# Altium PCB Zenit Stand PCB_2.PcbDoc (part 1 of 2) (continued)
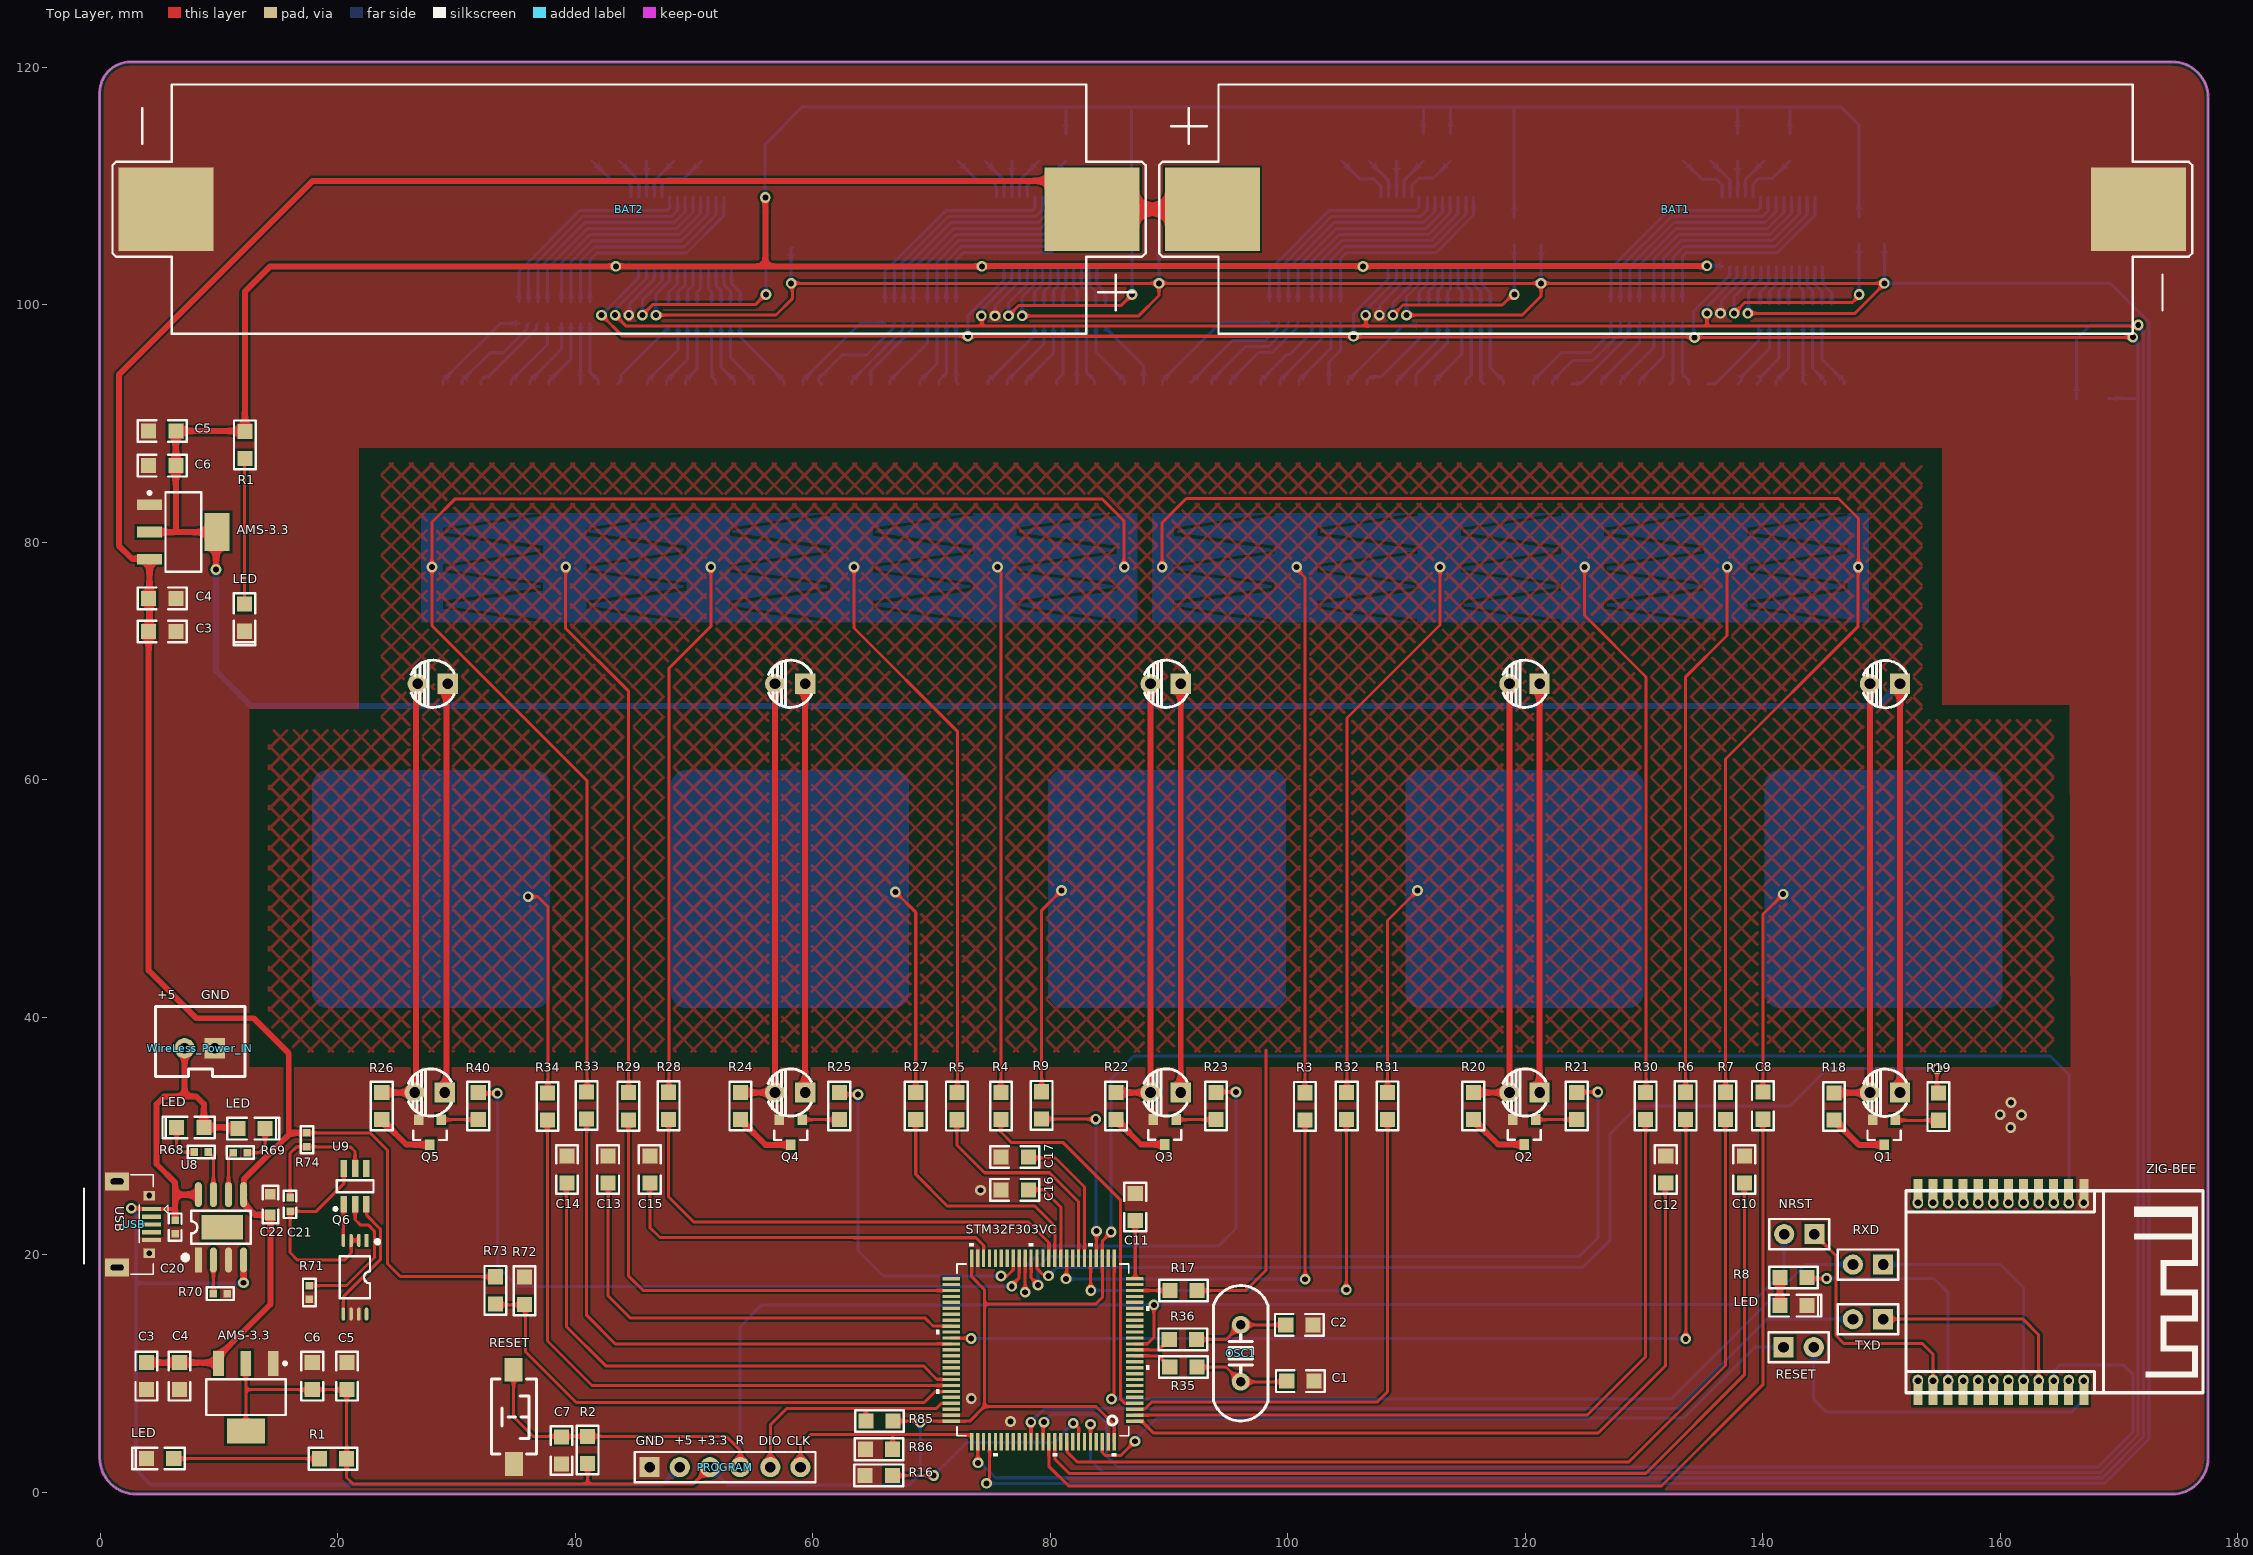
[diagram p0: Top Layer view]
## Footprints (in the part's own frame and the unit in brackets; to place one, negate y for a bottom-side part, rotate by r counter-clockwise, add the part's x,y. Pads: shape width x height; smd on the part's side, far side on the other; paste and mask are expansions set on the pad)
"18650 SINGLE 2" [mm]
  rect 8x7 smd: 1(-43.5,-1) 2(34.5,-1)
  silkscreen extent -48,-11.5 39,9.5, body extent -47.5,-11.35 38.5,9.3, height 15.01
"C 0402" [mil] "ï؟½ق¼ï؟½ï؟½ï؟½ï؟½ï؟½ئ¬ï؟½ï؟½ï؟½ï؟½"
  rect 25x25 smd: 1(-23,0.16) 2(23,0.16)
  silkscreen extent -45,-21 45,21, body extent -20,-10 20,10, height 20
"C 0603" [mil] "ï؟½ق¼ï؟½ï؟½ï؟½ï؟½ï؟½ئ¬ï؟½ï؟½ï؟½ï؟½"
  rect 35x35 smd: 1(-35,0) 2(34,0)
  silkscreen extent -63,-26 62,26, body extent -31,-16 31,16, height 32
"C 0805" [mil] "ï؟½ق¼ï؟½ï؟½ï؟½ï؟½ï؟½ئ¬ï؟½ï؟½ï؟½ï؟½"
  rect 50x50 smd: 1(-45,0) 2(45,0)
  silkscreen extent -81,-36 81,36, body extent -39,-24 39,24, height 20
HDR-1X2 [mm] "إإصë£¬2½إ"
  rect 1.7x1.7 hole 0.9: 1(0,0)
  round 1.7 hole 0.9: 2(2.54,0)
  silkscreen extent -1.27,-1.27 3.81,1.27, body extent -1.27,-1.27 3.81,1.27, height 8.5
HDR-1X6 [mm] "إإصë£¬6½إ"
  rect 1.7x1.7 hole 0.9: 1(0,0)
  round 1.7 hole 0.9: 2(2.54,0) 3(5.08,0) 4(7.62,0) 5(10.16,0) 6(12.7,0)
  silkscreen extent -1.27,-1.27 13.97,1.27, body extent -1.27,-1.27 13.97,1.27, height 8.5
"LED 3MM-B" [mm] "ï؟½ï؟½ة«3mmض±ï؟½ï؟½LED"
  rect 1.7x1.7 hole 0.9: 1(-1.27,0)
  round 1.7 hole 0.9: 2(1.27,0)
  silkscreen extent -2.01,-2 1.72,1.98, body extent -1.95,-1.95 1.64,1.95, height 5.55
"LED 0805B" [mil] "ï؟½ï؟½ة«0805LED"
  rect 50x50 smd: 1(-45,0) 2(45,0)
  silkscreen extent -81,-36 92,36, body extent -39,-25 39,25, height 32
"LED 0805G" [mil] "ï؟½ï؟½ة«0805LED"
  rect 50x50 smd: 1(-45,0) 2(45,0)
  silkscreen extent -81,-36 92,36, body extent -39,-25 39,25, height 32
"LED 0805R" [mil] "ï؟½ï؟½ة«0805LED"
  rect 50x50 smd: 1(-45,0) 2(45,0)
  silkscreen extent -81,-36 92,36, body extent -39,-25 39,25, height 32
"LED 5050" [mm] "ï؟½ï؟½ة«5050LED"
  rect 1.5x0.9 smd: 1(-2.705,1.6) 2(2.705,1.6) 3(-2.705,0) 4(2.705,0) 5(-2.705,-1.6) 6(2.705,-1.6)
  silkscreen extent -1.52,-2.29 1.52,2.29, body extent -2.7,-2.5 2.7,2.5, height 1.65
LQFP100_STM [mil]
  rect 58x11 smd paste+0 mask+0: 1(-304,236.22) 2(-304,216.54) 3(-304,196.85) 4(-304,177.17) 5(-304,157.48) 6(-304,137.8) 7(-304,118.11) 8(-304,98.43) 9(-304,78.74) 10(-304,59.06) 11(-304,39.37) 12(-304,19.69) 13(-304,0) 14(-304,-19.68) 15(-304,-39.37) 16(-304,-59.06) 17(-304,-78.74) 18(-304,-98.43) 19(-304,-118.11) 20(-304,-137.8) 21(-304,-157.48) 22(-304,-177.17) 23(-304,-196.85) 24(-304,-216.54) 25(-304,-236.22) 51(304,-236.22) 52(304,-216.54) 53(304,-196.85) 54(304,-177.17) 55(304,-157.48) 56(304,-137.8) 57(304,-118.11) 58(304,-98.43) 59(304,-78.74) 60(304,-59.06) 61(304,-39.37) 62(304,-19.68) 63(304,0) 64(304,19.69) 65(304,39.37) 66(304,59.06) 67(304,78.74) 68(304,98.43) 69(304,118.11) 70(304,137.8) 71(304,157.48) 72(304,177.17) 73(304,196.85) 74(304,216.54) 75(304,236.22)
  rect 11x58 smd paste+0 mask+0: 26(-236.22,-304) 27(-216.54,-304) 28(-196.85,-304) 29(-177.17,-304) 30(-157.48,-304) 31(-137.8,-304) 32(-118.11,-304) 33(-98.43,-304) 34(-78.74,-304) 35(-59.06,-304) 36(-39.37,-304) 37(-19.69,-304) 38(0,-304) 39(19.68,-304) 40(39.37,-304) 41(59.05,-304) 42(78.74,-304) 43(98.43,-304) 44(118.11,-304) 45(137.8,-304) 46(157.48,-304) 47(177.17,-304) 48(196.85,-304) 49(216.54,-304) 50(236.22,-304) 76(236.22,304) 77(216.54,304) 78(196.85,304) 79(177.17,304) 80(157.48,304) 81(137.8,304) 82(118.11,304) 83(98.43,304) 84(78.74,304) 85(59.05,304) 86(39.37,304) 87(19.68,304) 88(0,304) 89(-19.69,304) 90(-39.37,304) 91(-59.06,304) 92(-78.74,304) 93(-98.43,304) 94(-118.11,304) 95(-137.8,304) 96(-157.48,304) 97(-177.17,304) 98(-196.85,304) 99(-216.54,304) 100(-236.22,304)
  silkscreen extent -353,-353 353,353, body extent -315,-315 315,315, height 61
"R 0402" [mil] "1/16Wï؟½ï؟½ئ¬ï؟½ï؟½ï؟½ï؟½"
  rect 25x25 smd: 1(-19,-17) 2(27,-17)
  silkscreen extent -41,-38 49,4, body extent -16,-27 24,-7, height 12
"R 0805" [mm] "1/8Wï؟½ï؟½ئ¬ï؟½ï؟½ï؟½ï؟½"
  rect 1.27x1.27 smd: 1(-1.143,0) 2(1.143,0)
  silkscreen extent -2.05,-0.91 2.05,0.91, body extent -1,-0.62 1,0.63, height 0.5
"RA1206 (4x0603)" [mm]
  rrect50% 0.8x0.5 smd: 1(-0.9,1.2) 2(-0.9,0.4) 3(-0.9,-0.4) 4(-0.9,-1.2) 5(0.9,-1.2) 6(0.9,-0.4) 7(0.9,0.4) 8(0.9,1.2)
  silkscreen extent -1.55,-1.65 0.85,1.65, body extent -0.8,-1.6 0.8,1.6, height 0.5
SOP8_M-EP [mm] "5*6*1.8mm£¨³¤؟ي¸ك£©"
  rect 2.1x0.6 smd: 1(-2.75,1.905)
  oval 2.1x0.6 smd: 2(-2.75,0.635) 3(-2.75,-0.635) 4(-2.75,-1.905) 5(2.75,-1.905) 6(2.75,-0.635) 7(2.75,0.635) 8(2.75,1.905)
  rect 2.1x3.5 smd: 9(0.01,-0.113)
  silkscreen extent -2.69,-2.5 1.4,3.15, body extent -3,-2.5 3,2.5, height 1.9
SOT23-3 [mm]
  rect 0.8x0.9 smd: 1(-0.95,-1) 2(0.95,-1) 3(0,1.1)
  silkscreen extent -1.4,-0.1 1.4,0.7, body extent -1.46,-1.4 1.46,1.4, height 1.24
SOT23-6M [mm] "3x1.6x1.1mm(ï؟½ï؟½ï؟½ï؟½ï؟½)"
  rect 0.55x1.4 smd: 1(-0.95,-1.5) 2(0,-1.5) 3(0.95,-1.5) 4(0.95,1.5) 5(0,1.5) 6(-0.95,1.5)
  silkscreen extent -1.78,-2.03 1.55,0.51, body extent -1.5,-1.4 1.5,1.4, height 1.15
SOT223_L [mm] "SOT223, 4-Leads, Body 6.5x3.5mm, Pitch 2.3mm, Lead Span 7mm, IPC High Density"
  rect 2.1x0.9 smd: 1(-2.85,2.3) 2(-2.85,0) 3(-2.85,-2.3)
  rect 2.1x3.2 smd: 4(2.85,0)
  silkscreen extent -2.97,-3.35 1.5,3.42, body extent -1.85,-3.35 1.85,3.35, height 1.7
SOT361-1_NXP [mil]
  rect 58x14 smd paste+0 mask+0: 1(-115,166.34) 2(-115,140.75) 3(-115,115.16) 4(-115,89.57) 5(-115,63.98) 6(-115,38.39) 7(-115,12.8) 8(-115,-12.8) 9(-115,-38.39) 10(-115,-63.98) 11(-115,-89.57) 12(-115,-115.16) 13(-115,-140.75) 14(-115,-166.34) 15(115,-166.34) 16(115,-140.75) 17(115,-115.16) 18(115,-89.57) 19(115,-63.98) 20(115,-38.39) 21(115,-12.8) 22(115,12.8) 23(115,38.39) 24(115,63.98) 25(115,89.57) 26(115,115.16) 27(115,140.75) 28(115,166.34)
  silkscreen extent -94,-198 94,198, body extent -130,-193 130,193, height 43
SSOP8_L [mm] "3*6.4*1.2mm£¨³¤؟ي¸ك£©"
  rect 1.1x0.3 smd: 1(-3.1,0.975)
  oval 1.1x0.3 smd: 2(-3.1,0.325) 3(-3.1,-0.325) 4(-3.1,-0.975) 5(3.1,-0.975) 6(3.1,-0.325) 7(3.1,0.325) 8(3.1,0.975)
  silkscreen extent -3.13,-1.27 1.78,2.03, body extent -3.2,-1.75 3.2,1.75, height 1.25
"TSW SMD-3*6*2.5" [mm] "3*6*2.5mm"
  rect 2x1.5 smd: 1(-3.996,-0.02) 2(3.937,0)
  silkscreen extent -3.21,-1.9 3.09,1.9, body extent -4,-1.88 4,1.62, height 2.59
USB-micro_B [mm] "microï؟½ï؟½USB ï؟½ï؟½5.7*7.8*2.5mm"
  rect 0.35x1.6 smd: 1(-1.3,2.9) 2(-0.65,2.9) 3(0,2.9) 4(0.65,2.9) 5(1.3,2.9)
  rect 1.5x2 hole 0.5 slot 1.1 at 90 deg: 5(-3.625,0) 5(3.625,0)
  rect 0.8x1 hole 0.5: 5(-2.425,2.71) 5(2.425,2.71)
  silkscreen extent -4.19,-2.79 4.19,4.3, body extent -4,-2.71 4,2.89, height 2.8
XBee [mil]
  rect 80x30 smd: A1(-344.93,120.37) A2(-344.93,70.37) A3(-344.93,20.37) A4(-344.93,-29.63) A5(-344.93,-79.63) A6(-344.93,-129.63) A7(-344.93,-179.63) A8(-344.93,-229.63) A9(-344.93,-279.63) A10(-344.93,-329.63) A11(-344.93,-379.63) A12(-344.93,-429.63) B1(324.36,120.37) B2(324.36,70.37) B3(324.36,20.37) B4(324.36,-29.63) B5(324.36,-79.63) B6(324.36,-129.63) B7(324.36,-179.63) B8(324.36,-229.63) B9(324.36,-279.63) B10(324.36,-329.63) B11(324.36,-379.63) B12(324.36,-429.63)
  oval 40x35 hole 22: A1(-306.32,120.54) A2(-306.32,70.54) A3(-306.32,20.54) A4(-306.32,-29.46) A5(-306.32,-79.46) A6(-306.32,-129.46) A7(-306.32,-179.46) A8(-306.32,-229.46) A9(-306.32,-279.46) A10(-306.32,-329.46) A11(-306.32,-379.46) A12(-306.32,-429.46) B1(284.04,120.54) B2(284.04,70.54) B3(284.04,20.54) B4(284.04,-29.46) B5(284.04,-79.46) B6(284.04,-129.46) B7(284.04,-179.46) B8(284.04,-229.46) B9(284.04,-279.46) B10(284.04,-329.46) B11(284.04,-379.46) B12(284.04,-429.46)
  silkscreen extent -346,-469 324,515, body extent -326,-458 304,486, height 98
XH2.54-2P [mm] "½س²ه¼‏£¬2P"
  rect 1.7x1.7 hole 0.9: 1(0,0)
  round 1.7 hole 0.9: 2(2.54,0)
  silkscreen extent -2.54,-3.51 5.01,2.37, body extent -2.5,-3.3 5.04,2.4, height 7.05
XTAL-HC49S-THD [mm]
  round 1.5 hole 0.8: 1(-2.4,0) 2(2.4,0)
  silkscreen extent -5.7,-2.28 5.7,2.28, body extent -5.68,-2.35 5.68,2.3, height 3.5
? [mm]
  round 0.1 smd paste-0.05: 1(0,0)
  Top Layer region: 0,0 0,0 0,0 0,-10 9,-10 9,-10 9.152,-9.954 9.408,-9.817 9.633,-9.633 9.817,-9.408 9.954,-9.152 10,-9 10,9 10,9 9.954,9.152 9.817,9.408 9.633,9.633 9.408,9.817 9.152,9.954 9,10 -9,10 -9,10 -9.152,9.954 -9.408,9.817 -9.633,9.633 -9.817,9.408 -9.954,9.152 -10,9 -10,-9 -10,-9 -9.954,-9.152 -9.817,-9.408 -9.633,-9.633 -9.408,-9.817 -9.152,-9.954 -9,-10 0,-10

## Part data
AMS-3.3 AMS-3.3: library part AMS1117, "Three-terminal regulator chip", BOM名称=稳压芯片, 学习资源=www.ooocke.com, 版权归属=源创客
C1 C2 C3 C3 C4 C4 C5 C5 C6 C6 C7 C8 C10 C11 C12 C13 C14 C15 C16 C17 C20 C21 C22: library part C, "Non-polar patch capacitor", BOM名称=无极性贴片电容, 学习资源=www.ooocke.com, 版权归属=源创客
LED LED LED LED LED: "Patch LED", BOM名称=贴片LED, 学习资源=www.ooocke.com, 版权归属=源创客
LED LED LED LED LED LED LED LED LED LED: library part LED-3MM, "Plug-in LED", BOM名称=插件LED, 学习资源=www.ooocke.com, 版权归属=源创客
NRST RESET RXD TXD WireLess_Power_IN: library part "Header 2", "2P Connector", BOM名称=2P接插件, 学习资源=www.ooocke.com, 版权归属=源创客
OSC1: library part XTAL-2, "2-Pin crystal", BOM名称=2脚晶振, 学习资源=www.ooocke.com, 版权归属=源创客
Q1 Q2 Q3 Q4 Q5: "N-Channel 60V 115mA (Tc) 225mW (Ta) Surface Mount SOT-23-3 (TO-236)", Package="SOT-23-3 Vishay", Availability=Good, Check_prices=https://www.snapeda.com/parts/2N7002/STMicroelectronics/view-part/2885412/?ref=eda, MF=STMicroelectronics, MP=2N7002, Price=None, Purchase-URL=https://pricing.snapeda.com/search/part/2N7002/?ref=eda, SnapEDA_Link=https://www.snapeda.com/parts/2N7002/STMicroelectronics/view-part/2885412/?ref=snap
Q6: "Dual N-Channel Enhancement Mode Power MOSFET"
R1 R1 R2 R3 R4 R5 R6 R7 R8 R9 R16 R17 R18 R19 R20 R21 R22 R23 R24 R25 R26 R27 R28 R29 R30 R31 R32 R33 R34 R35 R36 R37 R38 R39 R40 R40 R41 R42 R43 R45 R46 R47 R48 R49 R50 R51 R52 R54 R55 R56 R57 R58 R59 R60 R61 R62 R68 R69 R70 R71 R72 R73 R74 R77 R78 R79 R80 R83 R84 R85 R86: library part R, "Chip resistor", BOM名称="Chip resistor", 学习资源=www.ooocke.com, 版权归属=源创客
RA1 RA2 RA3 RA4 RA5 RA6 RA7 RA8 RA9 RA10 RA11 RA12 RA13 RA14 RA15 RA16: library part R-ARR, "4 way Chip Resistor Array"
RESET: library part "TSW 3x6", "3x6 tact switch", BOM名称=3x6轻触开关, 学习资源=www.ooocke.com, 版权归属=源创客
RGB1 RGB2 RGB3 RGB4 RGB5 RGB6 RGB7 RGB8 RGB9 RGB10 RGB11 RGB12 RGB13 RGB14 RGB15 RGB16 RGB17 RGB18 RGB19 RGB20 RGB21: "Three primary color LED", BOM名称=三基色LED, 学习资源=www.ooocke.com, 版权归属=源创客
STM32F303VC U1 U2 U3 U4: "No Description Available", Copyright="Copyright (C) 2018 Accelerated Designs. All rights reserved", RefDes=RefDes, Type=DEV
  STM32F303VC: Built_By=EMA_Jessica, Manufacturer_Part_Number=STM32F303VCT6, SourceLibrary=Updates_to_database_2020-11-10, Vendor=STMicroelectronics
  U1 U2 U3 U4: Built_By=EMA_UL_Team, Manufacturer_Part_Number=PCA9685PW, SourceLibrary=NXP_2011-11-10, Vendor=NXP
U8: "Lithium battery charge management", BOM名称=锂电池充电管理, 学习资源=www.ooocke.com, 版权归属=源创客
U9: "Lithium battery overcurrent protection IC", BOM名称=过流保护IC, 学习资源=www.ooocke.com, 版权归属=源创客
USB: "Micro & Mini USB female", BOM名称=微型USB母座, 学习资源=www.ooocke.com, 版权归属=源创客
ZIG-BEE: library part XBee
Touch1 Touch2 Touch3 Touch4 Touch5: ConfigurationParameters==__sensorid[RectangularCurvedEdgeButton]=width[20]=Length[20]=innerDiameter[0]=, ConfiguratorName=CYPRESS_TOUCH

## Via types
v1: diameter 0.9, hole 0.5, Top Layer to Bottom Layer, tented both sides, 93 vias

## Nets (pads, with @x,y where several pads share a name; then routed paths per layer and width w, separated by ;. In a path a pad name is that pad's centre, name@x,y a point inside that pad or via, vN(x,y) a via of type N, cw(c..) or ccw(c..) an arc to the next point about the centre after c; other vN are vias at no path point)
+3.3: AMS-3.3.2@12.268,10.87 AMS-3.3.4@12.268,5.17 C5.2@20.777,8.655 C6.2@17.856,8.655 PROGRAM.3 R1.1@20.752,2.839 R2.1 R85.2 STM32F303VC.28 STM32F303VC.50 STM32F303VC.75 STM32F303VC.100 ZIG-BEE.A2 | length 233.8
  Top Layer w0.254: AMS-3.3.4@12.268,4.944 AMS-3.3.4@12.268,5.17 12.268,8.655 ; AMS-3.3.2@12.268,10.87 12.268,8.655 ; 20.752,1.251 R1.1@20.752,2.839 20.752,8.63 C5.2@20.777,8.655 C6.2@17.856,8.655 12.268,8.655 ; 20.821,1.182 21.279,0.724 41.053,0.724 ; R2.1@41.053,2.426 41.053,0.724 ; PROGRAM.3@51.352,2.134 49.943,0.724 41.053,0.724 ; R85.2@66.764,6.02 66.776,6.008 69.063,6.008 STM32F303VC.75@71.671,6.008 73.235,6.008 74.46,7.233 ; STM32F303VC.50@73.393,19.729 73.393,18.155 74.46,17.088 74.46,15.856 ; v1(85.141,21.933) 84.393,21.185 STM32F303VC.28@84.393,19.729 84.393,16.422 83.826,15.856 74.46,15.856 ; STM32F303VC.100@85.393,4.286 85.393,5.698 83.858,7.233 74.46,7.233 ; 74.46,7.233 74.46,15.856
  Bottom Layer w0.254: PROGRAM.3@51.352,2.134 52.876,0.61 68.085,0.61 69.063,1.587 v1(69.063,5.905) ; v1(85.141,21.933) 85.141,34.849 87.046,36.754 164.217,36.754 165.78,35.191 ZIG-BEE.A2@165.78,24.405
+5: C20.2 LED.1@8.726,30.74 LED.1@11.603,30.639 PROGRAM.2 U8.4 U8.8 USB.1 WireLess_Power_IN.2 | length 109.7
  Top Layer w0.3: v1(2.629,23.946) 2.682,23.893 4.297,23.893 USB.1@4.322,23.868 6.246,23.868
  Top Layer w0.5: 6.246,23.868 6.314,23.8 ; C20.2@6.314,22.936 6.314,23.8 ; WireLess_Power_IN.2@7.106,37.408 7.106,33.35 ; U8.8@8.267,25.077 6.314,25.077 ; LED.1@11.603,30.639 11.501,30.74 LED.1@8.726,30.74 8.726,32.708 8.084,33.35 7.106,33.35 ; v1(12.077,17.658) U8.4@12.077,19.577 ; 6.314,23.8 6.314,25.077 ; 6.314,25.077 6.314,26.09 4.743,27.661 4.743,32.706 5.387,33.35 7.106,33.35
  Bottom Layer w0.3: v1(2.629,23.946) 2.629,23.857 3.016,23.47 3.016,17.628 ; v1(12.077,17.658) 12.046,17.628 3.016,17.628 ; PROGRAM.2@48.812,2.134 47.352,0.673 4.242,0.673 3.016,1.899 3.016,17.628
+VLED: 
ADC: R72.1 R73.2 STM32F303VC.70 | length 44.4
  Top Layer w0.254: R73.2@33.325,15.792 35.789,15.792 35.814,15.767 35.814,11.849 40.094,7.569 69.386,7.569 70.312,8.495 71.659,8.495 STM32F303VC.70@71.671,8.508
BOOT0: R16.1 STM32F303VC.94 | length 19.1
  Top Layer w0.254: R16.1@66.707,1.232 R16.1@66.745,1.27 ; R16.1@66.783,0.978 66.783,0.997 67.215,1.429 v1(70.187,1.429) ; v1@81.902,5.871 v1(81.947,5.827) 82.013,5.827 82.393,5.447 STM32F303VC.94@82.393,4.286
  Bottom Layer w0.254: v1(70.187,1.429) 72.974,4.216 80.336,4.216 v1(81.947,5.827)
G1_IO1: R17.1 STM32F303VC.23 | length 3
  Top Layer w0.254: STM32F303VC.23@87.114,17.008 90.078,17.008 R17.1@90.081,17.005
G1_IO3: C11.1 STM32F303VC.25 | length 4.9
  Top Layer w0.254: STM32F303VC.25@87.114,18.008 87.154,18.008 87.166,18.021 C11.1@87.166,22.892
G2_IO1: R9.1 STM32F303VC.29 | length 16.3
  Top Layer w0.254: R9.1@79.286,31.458 79.305,31.439 v1(83.839,31.439) ; STM32F303VC.29@83.893,19.729 83.901,19.737 83.901,22.001 v1(83.909,22.009)
  Bottom Layer w0.254: v1(83.839,31.439) 83.874,31.404 83.874,22.044 v1(83.909,22.009)
G2_IO2: R32.2 STM32F303VC.30 | length 38.6
  Top Layer w0.254: STM32F303VC.30@83.393,19.729 83.406,19.717 83.406,17.032 v1(83.426,17.012) ; v1(104.94,17.069) 104.94,31.363 R32.2@104.972,31.394
  Bottom Layer w0.254: v1(83.426,17.012) 104.883,17.012 v1(104.94,17.069)
G2_IO3: C17.1 STM32F303VC.31 | length 11.7
  Top Layer w0.254: C17.1@78.175,28.169 80.442,28.169 82.893,25.717 STM32F303VC.31@82.893,19.729
G2_IO4: R5.1 STM32F303VC.32 | length 19.1
  Top Layer w0.254: R5.1@72.142,31.388 72.142,29.261 74.479,26.924 79.953,26.924 82.393,24.484 STM32F303VC.32@82.393,19.729
G3_IO1: R3.1 STM32F303VC.34 | length 35.4
  Top Layer w0.254: v1(81.331,17.99) 81.38,18.039 81.38,19.717 STM32F303VC.34@81.393,19.729 ; R3.1@101.448,31.375 101.479,31.344 v1(101.479,17.958)
  Bottom Layer w0.254: v1(81.331,17.99) 81.347,17.974 101.463,17.974 v1(101.479,17.958)
G3_IO2: C16.1 STM32F303VC.35 | length 7.6
  Top Layer w0.254: C16.1@78.162,25.502 79.426,25.502 80.893,24.035 STM32F303VC.35@80.893,19.729
G3_IO3: R27.1 STM32F303VC.36 | length 20.8
  Top Layer w0.254: R27.1@68.682,31.401 68.682,26.791 71.361,24.111 78.721,24.111 80.393,22.439 STM32F303VC.36@80.393,19.729
G3_IO4: R28.1 STM32F303VC.37 | length 41.5
  Top Layer w0.254: R28.1@47.873,31.42 47.873,24.886 49.962,22.796 78.13,22.796 79.902,21.025 79.902,19.739 STM32F303VC.37@79.893,19.729
G4_IO1: C14.1 STM32F303VC.68 | length 46.3
  Top Layer w0.254: C14.1@39.256,26.054 39.256,13.97 42.564,10.662 69.336,10.662 70.477,9.521 71.659,9.521 STM32F303VC.68@71.671,9.508
G4_IO2: R34.2 STM32F303VC.69 | length 54.2
  Top Layer w0.254: R34.2@37.662,31.369 37.662,12.757 41.411,9.008 STM32F303VC.69@71.671,9.008
G5_IO1: C8.1 STM32F303VC.89 | length 88.8
  Top Layer w0.254: STM32F303VC.89@79.893,4.286 79.893,2.206 81.559,0.54 131.489,0.54 140.017,9.068 C8.1@140.017,31.426
G5_IO2: C10.1 STM32F303VC.90 | length 79.7
  Top Layer w0.254: STM32F303VC.90@80.393,4.286 80.393,2.824 81.617,1.6 130.15,1.6 138.455,9.906 C10.1@138.455,26.054 C10.1@138.455,26.175
G5_IO3: R7.1 STM32F303VC.92 | length 80.8
  Top Layer w0.254: STM32F303VC.92@81.393,4.286 81.406,4.274 81.406,3.435 82.275,2.565 128.734,2.565 136.868,10.7 R7.1@136.868,31.42
G5_IO4: STM32F303VC.93
G6_IO1: C15.1 STM32F303VC.48 | length 33.5
  Top Layer w0.254: C15.1@46.285,26.054 46.291,26.048 46.291,22.32 47.142,21.469 63.411,21.469 63.43,21.45 73.755,21.45 74.393,20.813 STM32F303VC.48@74.393,19.729
G6_IO2: STM32F303VC.51
G6_IO3: STM32F303VC.52
G6_IO4: R29.1 STM32F303VC.53 | length 40.8
  Top Layer w0.254: R29.1@44.482,31.382 44.482,18.256 45.73,17.008 STM32F303VC.53@71.671,17.008
G7_IO1: C12.1 STM32F303VC.1 | length 63
  Top Layer w0.254: STM32F303VC.1@87.114,6.008 87.711,6.008 88.728,4.991 126.136,4.991 131.801,10.655 C12.1@131.801,26.175
G7_IO2: R30.1 STM32F303VC.2 | length 65
  Top Layer w0.254: STM32F303VC.2@87.114,6.508 125.208,6.508 130.15,11.449 R30.1@130.15,31.394
G7_IO3: R31.2 STM32F303VC.3 | length 44.8
  Top Layer w0.254: STM32F303VC.3@87.114,7.008 87.127,7.021 87.824,7.021 87.844,7.041 87.987,7.041 88.578,7.633 107.563,7.633 108.413,8.484 R31.2@108.413,31.414
G7_IO4: R4.1 STM32F303VC.4 | length 31.6
  Top Layer w0.254: R4.1@75.857,31.302 75.857,30.347 76.746,29.458 81.102,29.458 85.941,24.619 85.941,7.841 86.274,7.508 STM32F303VC.4@87.114,7.508 ; R4.1@75.857,31.407 R4.1@75.962,31.302
G8_IO1: C13.1 STM32F303VC.59 | length 39.5
  Top Layer w0.254: C13.1@42.78,26.086 C13.1@42.78,26.054 42.78,16.548 44.653,14.675 69.488,14.675 70.142,14.021 71.659,14.021 STM32F303VC.59@71.671,14.008
G8_IO2: STM32F303VC.60
G8_IO3: R6.1 STM32F303VC.61 | length 80.4
  Top Layer w0.254: STM32F303VC.61@71.671,13.008 71.684,12.995 73.314,12.995 v1(73.343,12.967) ; R6.1@133.515,31.42 133.528,31.407 v1(133.528,12.935)
  Bottom Layer w0.254: v1(73.343,12.967) 73.358,12.951 133.512,12.951 v1(133.528,12.935)
G8_IO4: R33.2 STM32F303VC.62 | length 48.2
  Top Layer w0.254: R33.2@40.964,31.439 40.964,14.923 43.379,12.508 STM32F303VC.62@71.671,12.508
GND: AMS-3.3.1 BAT1.2 BAT2.2 C1.1 C2.1 C3.1 C4.1 C5.1 C6.1 C7.1 C10.2 C11.2 C12.2 C13.2 C14.2 C15.2 C16.2 C17.2 C20.1 C22.1 LED.2@3.912,2.864 LED.2@12.16,72.523 LED.2@143.747,15.735 PROGRAM.1 Q1.2 Q2.2 Q3.2 Q4.2 Q5.2 Q6.6 Q6.7 R16.2 R37.1 R38.1 R39.1 R40.1@48.331,114.414 R41.1 R42.1 R43.1 R45.1 R46.1 R47.1 R48.1 R49.1 R50.1 R51.1 R52.1 R70.1 R71.1 R72.2 R77.2 R78.2 R79.2 R80.2 R83.2 R84.2 R86.2 RESET.2@34.836,2.4 RGB1.2 RGB1.4 RGB1.6 RGB2.2 RGB2.4 RGB2.6 RGB3.2 RGB3.4 RGB3.6 RGB4.2 RGB4.4 RGB4.6 RGB5.2 RGB5.4 RGB5.6 RGB6.2 RGB6.4 RGB6.6 RGB7.2 RGB7.4 RGB7.6 RGB8.2 RGB8.4 RGB8.6 RGB9.2 RGB9.4 RGB9.6 RGB10.2 RGB10.4 RGB10.6 RGB11.2 RGB11.4 RGB11.6 RGB12.2 RGB12.4 RGB12.6 RGB13.2 RGB13.4 RGB13.6 RGB14.2 RGB14.4 RGB14.6 RGB15.2 RGB15.4 RGB15.6 RGB16.2 RGB16.4 RGB16.6 RGB17.2 RGB17.4 RGB17.6 RGB18.2 RGB18.4 RGB18.6 RGB19.2 RGB19.4 RGB19.6 RGB20.2 RGB20.4 RGB20.6 RGB21.2 RGB21.4 RGB21.6 STM32F303VC.49 STM32F303VC.74 STM32F303VC.99 U1.14 U1.25 U2.14 U2.25 U3.14 U3.25 U4.14 U4.25 U8.1 U8.3 USB.5 WireLess_Power_IN.1 ZIG-BEE.A1 | length 19.8
  Bottom Layer w0.254: v1(44.51,99.149) 44.585,99.223 44.585,100.096 46.664,102.176 U1.25@46.664,103.251 ; v1(75.352,99.085) 75.354,99.087 75.354,99.916 77.424,101.987 U2.25@77.424,103.251 ; v1(107.718,99.149) 107.761,99.192 107.761,99.98 109.809,102.028 U3.25@109.809,103.251 ; v1(136.458,99.301) 136.525,99.368 136.525,100.33 138.498,102.303 138.498,103.2 U4.25@138.549,103.251
  other v1: 76.664,5.975 73.368,7.906 74.13,25.451 160.89,30.734 161.804,31.794 160.007,31.813 160.922,32.842
L1: RA2.5 U1.6 | length 18.4
  Bottom Layer w0.254: RA2.5@35.262,100.241 35.262,102.825 40.405,107.969 47.765,107.969 47.954,108.158 47.954,109.083 U1.6@47.964,109.093
L2: RA2.6 U1.7 | length 18.4
  Bottom Layer w0.254: RA2.6@36.062,100.241 36.062,102.907 40.616,107.461 48.108,107.461 48.614,107.968 U1.7@48.614,109.093
L3: RA2.7 U1.8 | length 18.4
  Bottom Layer w0.254: RA2.7@36.862,100.241 36.862,102.989 40.807,106.934 48.332,106.934 49.264,107.867 U1.8@49.264,109.093
L4: RA2.8 U1.9 | length 18.3
  Bottom Layer w0.254: RA2.8@37.662,100.241 37.662,103.07 41.018,106.426 48.542,106.426 49.924,107.807 49.924,109.084 U1.9@49.914,109.093
L5: RA1.5 U1.10 | length 18.1
  Bottom Layer w0.254: RA1.5@38.849,100.241 38.849,103.539 41.228,105.918 48.753,105.918 50.546,107.711 50.546,109.075 U1.10@50.564,109.093
L6: RA1.6 U1.11 | length 18.1
  Bottom Layer w0.254: RA1.6@39.649,100.241 39.649,103.621 41.438,105.41 48.963,105.41 51.168,107.615 51.168,109.047 U1.11@51.214,109.093
L7: RA1.7 U1.12 | length 18
  Bottom Layer w0.254: RA1.7@40.449,100.241 40.449,103.703 41.636,104.889 49.161,104.889 51.864,107.593 U1.12@51.864,109.093
L8: RA1.8 U1.13 | length 17.9
  Bottom Layer w0.254: RA1.8@41.249,100.241 41.249,103.784 41.846,104.381 49.371,104.381 52.514,107.524 U1.13@52.514,109.093
L9: RA4.1 U1.22 | length 3.5
  Bottom Layer w0.254: RA4.1@47.866,100.043 47.866,101.043 48.614,101.791 U1.22@48.614,103.251
L10: RA4.2 U1.21 | length 3.5
  Bottom Layer w0.254: RA4.2@48.666,100.043 48.666,101.118 49.264,101.716 U1.21@49.264,103.251
L11: RA4.3 U1.20 | length 3.4
  Bottom Layer w0.254: RA4.3@49.466,100.043 49.466,101.193 49.914,101.641 U1.20@49.914,103.251
L12: RA4.4 U1.19 | length 3.3
  Bottom Layer w0.254: RA4.4@50.266,100.043 50.266,101.086 50.564,101.384 U1.19@50.564,103.251
L13: RA3.1 U1.18 | length 3.3
  Bottom Layer w0.254: U1.18@51.214,103.251 51.214,101.395 51.492,101.117 RA3.1@51.492,100.043
L14: RA3.2 U1.17 | length 3.4
  Bottom Layer w0.254: U1.17@51.864,103.251 51.864,101.631 52.292,101.203 RA3.2@52.292,100.043
L15: RA3.3 U1.16 | length 3.4
  Bottom Layer w0.254: U1.16@52.514,103.251 52.514,101.706 53.092,101.128 RA3.3@53.092,100.043
L16: RA3.4 U1.15 | length 3.5
  Bottom Layer w0.254: U1.15@53.164,103.251 53.164,101.781 53.892,101.053 RA3.4@53.892,100.043
L17: RA6.5 U2.6 | length 18.4
  Bottom Layer w0.254: RA6.5@66.078,100.241 66.078,102.813 71.241,107.975 78.544,107.975 78.72,108.152 78.72,109.089 U2.6@78.724,109.093
L18: RA6.6 U2.7 | length 18.3
  Bottom Layer w0.254: RA6.6@66.878,100.241 66.878,102.894 71.451,107.467 78.811,107.467 79.374,108.03 U2.7@79.374,109.093
L19: RA6.7 U2.8 | length 18.3
  Bottom Layer w0.254: RA6.7@67.678,100.241 67.678,102.976 71.662,106.959 79.021,106.959 80.024,107.962 U2.8@80.024,109.093
L20: RA6.8 U2.9 | length 18.2
  Bottom Layer w0.254: RA6.8@68.478,100.241 68.478,103.057 71.872,106.451 79.232,106.451 80.632,107.852 80.632,109.051 U2.9@80.674,109.093
L21: RA5.5 U2.10 | length 18
  Bottom Layer w0.254: RA5.5@69.666,100.241 69.666,103.527 72.083,105.943 79.442,105.943 81.324,107.825 U2.10@81.324,109.093
L22: RA5.6 U2.11 | length 17.9
  Bottom Layer w0.254: RA5.6@70.466,100.241 70.466,103.608 72.293,105.435 79.653,105.435 81.974,107.757 U2.11@81.974,109.093
L23: RA5.7 U2.12 | length 17.9
  Bottom Layer w0.254: RA5.7@71.266,100.241 71.266,103.69 72.503,104.927 79.863,104.927 82.624,107.688 U2.12@82.624,109.093
L24: RA5.8 U2.13 | length 17.8
  Bottom Layer w0.254: RA5.8@72.066,100.241 72.066,103.772 72.714,104.419 80.073,104.419 83.274,107.62 U2.13@83.274,109.093
L25: RA8.1 U2.22 | length 3.5
  Bottom Layer w0.254: RA8.1@78.683,100.043 78.683,101.072 79.374,101.762 U2.22@79.374,103.251
L26: RA8.2 U2.21 | length 3.4
  Bottom Layer w0.254: RA8.2@79.483,100.043 79.483,101.147 80.024,101.687 U2.21@80.024,103.251
L27: RA8.3 U2.20 | length 3.4
  Bottom Layer w0.254: RA8.3@80.283,100.043 80.283,101.222 80.674,101.612 U2.20@80.674,103.251
L28: RA8.4 U2.19 | length 3.3
  Bottom Layer w0.254: RA8.4@81.083,100.043 81.083,101.225 81.324,101.466 U2.19@81.324,103.251
L29: RA7.1 U2.18 | length 3.3
  Bottom Layer w0.254: U2.18@81.974,103.251 81.974,101.535 82.252,101.257 RA7.1@82.252,100.043
L30: RA7.2 U2.17 | length 3.4
  Bottom Layer w0.254: U2.17@82.624,103.251 82.624,101.631 83.052,101.203 RA7.2@83.052,100.043
L31: RA7.3 U2.16 | length 3.4
  Bottom Layer w0.254: U2.16@83.274,103.251 83.274,101.706 83.852,101.128 RA7.3@83.852,100.043
L32: RA7.4 U2.15 | length 3.5
  Bottom Layer w0.254: U2.15@83.924,103.251 83.924,101.781 84.652,101.053 RA7.4@84.652,100.043
L33: RA10.5 U3.6 | length 18.3
  Bottom Layer w0.254: RA10.5@98.463,100.274 98.463,102.933 103.505,107.975 110.794,107.975 111.058,108.239 111.058,109.042 U3.6@111.109,109.093
L34: RA10.6 U3.7 | length 18.4
  Bottom Layer w0.254: RA10.6@99.263,100.274 99.263,103.015 103.716,107.467 111.201,107.467 111.759,108.025 U3.7@111.759,109.093
L35: RA10.7 U3.8 | length 18.3
  Bottom Layer w0.254: RA10.7@100.063,100.274 100.063,103.097 103.926,106.959 111.451,106.959 112.409,107.917 U3.8@112.409,109.093
L36: RA10.8 U3.9 | length 18.3
  Bottom Layer w0.254: RA10.8@100.863,100.274 100.863,103.178 104.137,106.451 111.661,106.451 113.059,107.849 U3.9@113.059,109.093
L37: RA9.5 U3.10 | length 18.1
  Bottom Layer w0.254: RA9.5@102.038,100.274 102.038,103.635 104.347,105.943 111.872,105.943 113.69,107.762 113.69,109.075 U3.10@113.709,109.093
L38: RA9.6 U3.11 | length 18
  Bottom Layer w0.254: RA9.6@102.838,100.274 102.838,103.716 104.557,105.435 112.082,105.435 114.325,107.679 114.325,109.06 U3.11@114.359,109.093
L39: RA9.7 U3.12 | length 17.9
  Bottom Layer w0.254: RA9.7@103.638,100.274 103.638,103.798 104.768,104.927 112.293,104.927 115.024,107.659 115.024,109.078 U3.12@115.009,109.093
L40: RA9.8 U3.13 | length 17.9
  Bottom Layer w0.254: RA9.8@104.438,100.274 104.438,103.879 104.978,104.419 112.503,104.419 115.659,107.575 U3.13@115.659,109.093
L41: RA12.1 U3.22 | length 3.5
  Bottom Layer w0.254: RA12.1@111.074,100.076 111.074,101.091 111.759,101.776 U3.22@111.759,103.251
L42: RA12.2 U3.21 | length 3.4
  Bottom Layer w0.254: RA12.2@111.874,100.076 111.874,101.166 112.409,101.701 U3.21@112.409,103.251
L43: RA12.3 U3.20 | length 3.3
  Bottom Layer w0.254: RA12.3@112.674,100.076 112.674,101.241 113.059,101.626 U3.20@113.059,103.251
L44: RA12.4 U3.19 | length 3.3
  Bottom Layer w0.254: RA12.4@113.474,100.076 113.474,101.111 113.709,101.345 U3.19@113.709,103.251
L45: RA11.1 U3.18 | length 3.3
  Bottom Layer w0.254: U3.18@114.359,103.251 114.359,101.459 114.662,101.155 RA11.1@114.662,100.076
L46: RA11.2 U3.17 | length 3.4
  Bottom Layer w0.254: U3.17@115.009,103.251 115.009,101.66 115.462,101.207 RA11.2@115.462,100.076
L47: RA11.3 U3.16 | length 3.4
  Bottom Layer w0.254: U3.16@115.659,103.251 115.659,101.735 116.262,101.132 RA11.3@116.262,100.076
L48: RA11.4 U3.15 | length 3.5
  Bottom Layer w0.254: U3.15@116.309,103.251 116.309,101.81 117.062,101.057 RA11.4@117.062,100.076
L49: RA14.5 U4.6 | length 18.4
  Bottom Layer w0.254: RA14.5@127.216,100.274 127.216,103.079 132.106,107.969 139.597,107.969 139.812,108.184 139.812,109.056 U4.6@139.849,109.093
L50: RA14.6 U4.7 | length 18.5
  Bottom Layer w0.254: RA14.6@128.016,100.274 128.016,103.161 132.316,107.461 139.967,107.461 140.468,107.963 140.468,109.062 U4.7@140.499,109.093
L51: RA14.7 U4.8 | length 18.4
  Bottom Layer w0.254: RA14.7@128.816,100.274 128.816,103.243 132.527,106.953 140.204,106.953 141.135,107.884 141.135,109.079 U4.8@141.149,109.093
L52: RA14.8 U4.9 | length 18.4
  Bottom Layer w0.254: RA14.8@129.616,100.274 129.616,103.324 132.737,106.445 140.414,106.445 141.799,107.83 U4.9@141.799,109.093
L53: RA13.5 U4.10 | length 18.1
  Bottom Layer w0.254: RA13.5@130.836,100.274 130.836,103.825 132.947,105.937 140.624,105.937 142.443,107.756 142.443,109.087 U4.10@142.449,109.093
L54: RA13.6 U4.11 | length 18.1
  Bottom Layer w0.254: RA13.6@131.636,100.274 131.636,103.907 133.158,105.429 140.835,105.429 143.099,107.693 U4.11@143.099,109.093
L55: RA13.7 U4.12 | length 18
  Bottom Layer w0.254: RA13.7@132.436,100.274 132.436,103.988 133.368,104.921 141.045,104.921 143.749,107.625 U4.12@143.749,109.093
L56: RA13.8 U4.13 | length 17.9
  Bottom Layer w0.254: RA13.8@133.236,100.274 133.236,104.07 133.579,104.413 141.256,104.413 144.399,107.556 U4.13@144.399,109.093
L57: RA16.1 U4.22 | length 3.5
  Bottom Layer w0.254: RA16.1@139.776,100.076 139.776,101.072 140.499,101.795 U4.22@140.499,103.251
L58: RA16.2 U4.21 | length 3.4
  Bottom Layer w0.254: RA16.2@140.577,100.076 140.577,101.154 141.149,101.727 U4.21@141.149,103.251
L59: RA16.3 U4.20 | length 3.3
  Bottom Layer w0.254: RA16.3@141.376,100.076 141.376,101.2 141.799,101.622 U4.20@141.799,103.251
L60: RA16.4 U4.19 | length 3.3
  Bottom Layer w0.254: RA16.4@142.177,100.076 142.177,101.206 142.449,101.479 U4.19@142.449,103.251
L61: RA15.1 U4.18 | length 3.3
  Bottom Layer w0.254: U4.18@143.099,103.251 143.099,101.56 143.402,101.257 RA15.1@143.402,100.076
L62: RA15.2 U4.17 | length 3.4
  Bottom Layer w0.254: U4.17@143.749,103.251 143.749,101.66 144.202,101.207 RA15.2@144.202,100.076
L63: RA15.3 U4.16 | length 3.4
  Bottom Layer w0.254: U4.16@144.399,103.251 144.399,101.735 145.002,101.132 RA15.3@145.002,100.076
L64: RA15.4 U4.15 | length 3.5
  Bottom Layer w0.254: U4.15@145.049,103.251 145.049,101.81 145.802,101.057 RA15.4@145.802,100.076
LED1: R19.2 STM32F303VC.39 | length 91.5
  Top Layer w0.254: STM32F303VC.39@78.893,19.729 78.906,19.717 78.906,18.84 79.385,18.361 79.735,18.361 v1(79.859,18.237) ; v1(154.68,35.687) 154.68,33.75 R19.2@154.8,33.63
  Bottom Layer w0.254: v1(79.859,18.237) 80.576,18.955 124.879,18.955 127.133,21.209 127.133,30.188 129.502,32.556 142.329,32.556 145.459,35.687 v1(154.68,35.687)
LED2: R21.2 STM32F303VC.40 | length 66.3
  Top Layer w0.254: STM32F303VC.40@78.393,19.729 78.401,19.721 78.401,18.066 78.969,17.498 v1(78.969,17.458) ; R21.2@124.346,33.68 124.397,33.731 v1(126.117,33.731)
  Bottom Layer w0.254: v1(78.969,17.458) 78.969,18.986 79.864,19.882 124.562,19.882 126.117,21.438 v1(126.117,33.731)
LED3: R23.2 STM32F303VC.41 | length 37.3
  Top Layer w0.254: v1(77.893,16.862) STM32F303VC.41@77.893,19.729 ; R23.2@93.967,33.68 94.018,33.731 v1(95.65,33.731)
  Bottom Layer w0.254: v1(77.893,16.862) 77.893,18.984 79.654,20.745 94.164,20.745 95.65,22.231 v1(95.65,33.731)
LED4: R25.2 STM32F303VC.43 | length 29.9
  Top Layer w0.254: R25.2@62.243,33.68 62.408,33.515 v1(63.817,33.515) ; v1(75.857,18.224) 75.901,18.269 76.415,18.269 76.58,18.433 76.893,18.746 STM32F303VC.43@76.893,19.729
  Bottom Layer w0.254: v1(63.817,33.515) 63.817,20.377 65.97,18.224 v1(75.857,18.224)
LED5: R40.2@31.839,33.68 STM32F303VC.42 | length 62.8
  Top Layer w0.254: R40.2@31.839,33.68 31.909,33.611 v1(33.445,33.611) ; v1(76.765,17.361) 76.765,17.46 77.393,18.088 STM32F303VC.42@77.393,19.729
  Bottom Layer w0.254: v1(33.445,33.611) 33.445,19.063 35.147,17.361 v1(76.765,17.361)
LEDR1: RA2.2 RGB1.5 | length 7.3
  Bottom Layer w0.254: RGB1.5@32.074,93.332 32.074,93.632 32.397,93.955 32.692,93.955 36.739,98.002 36.739,98.318 RA2.2@36.862,98.441